# Altium PCB Proyecto_0.PcbDoc (part 1 of 3) (continued)
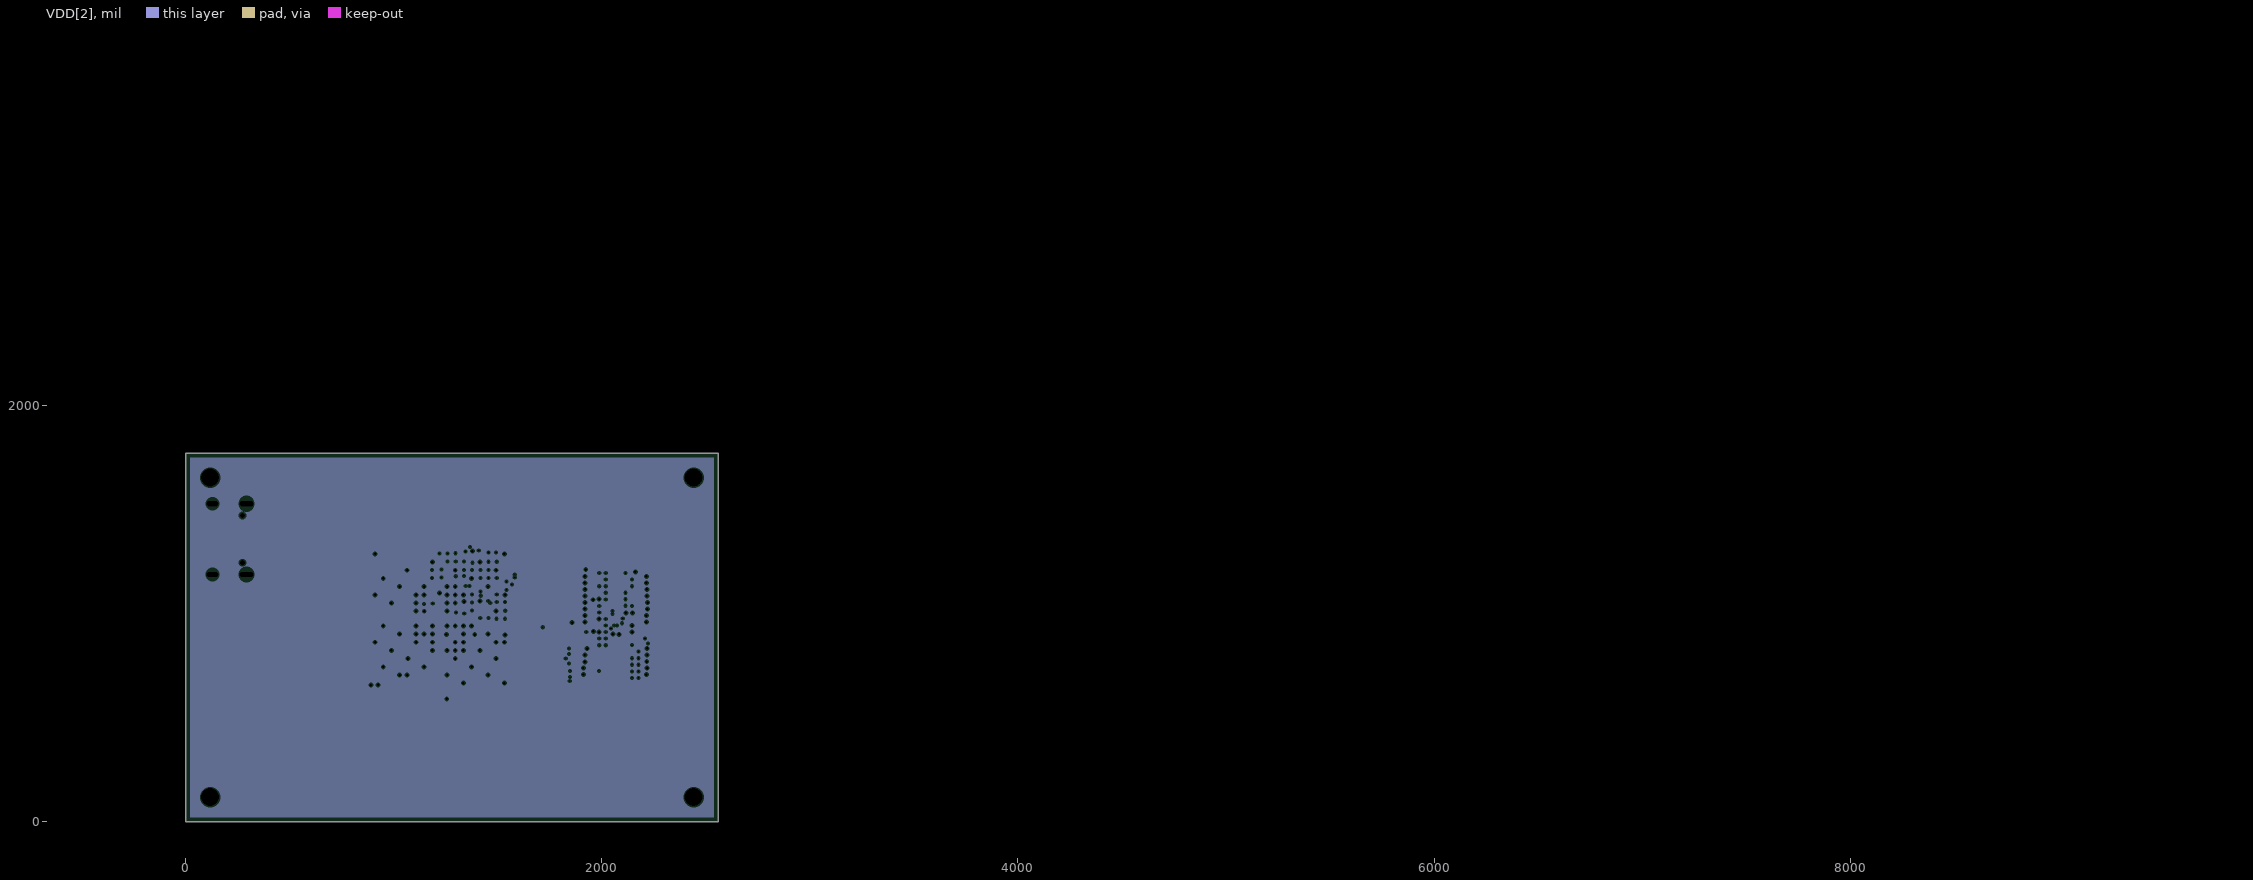
[diagram p6: VDD[2], clearances drawn from the general rule]
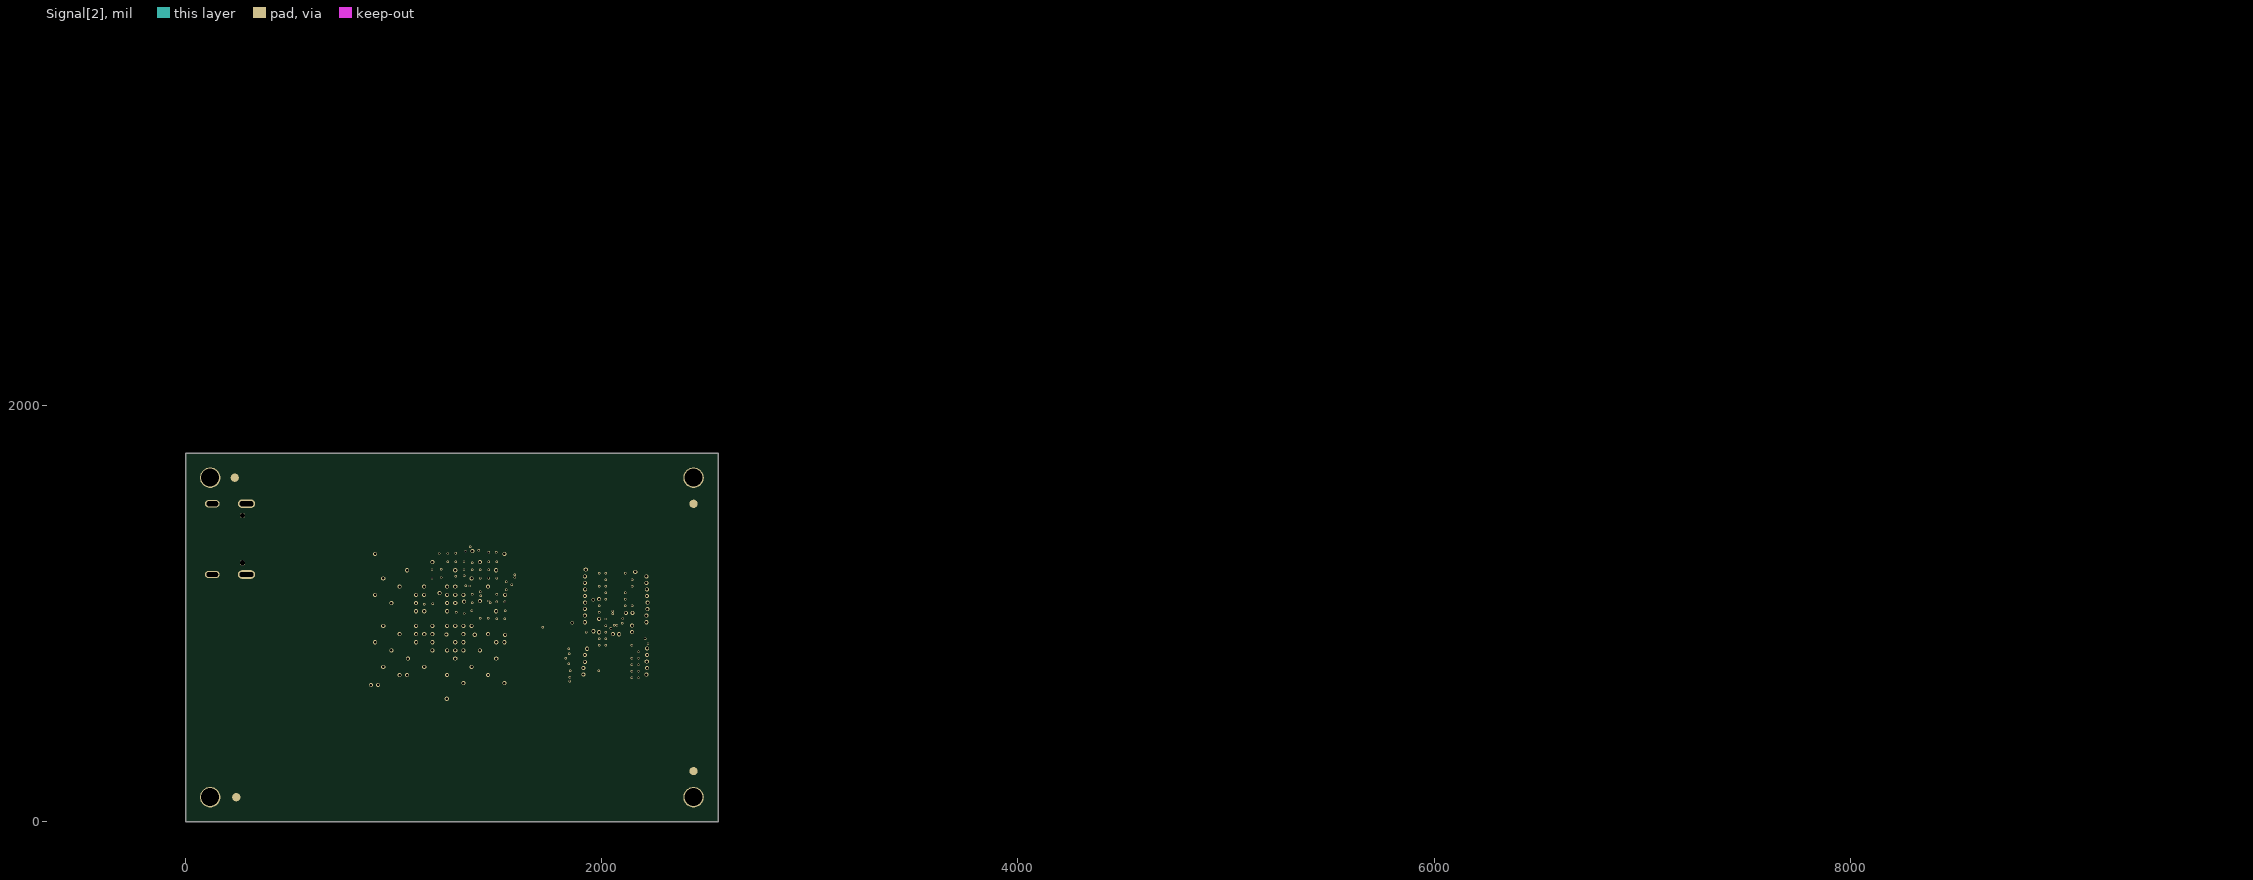
[diagram p7: Signal[2]]
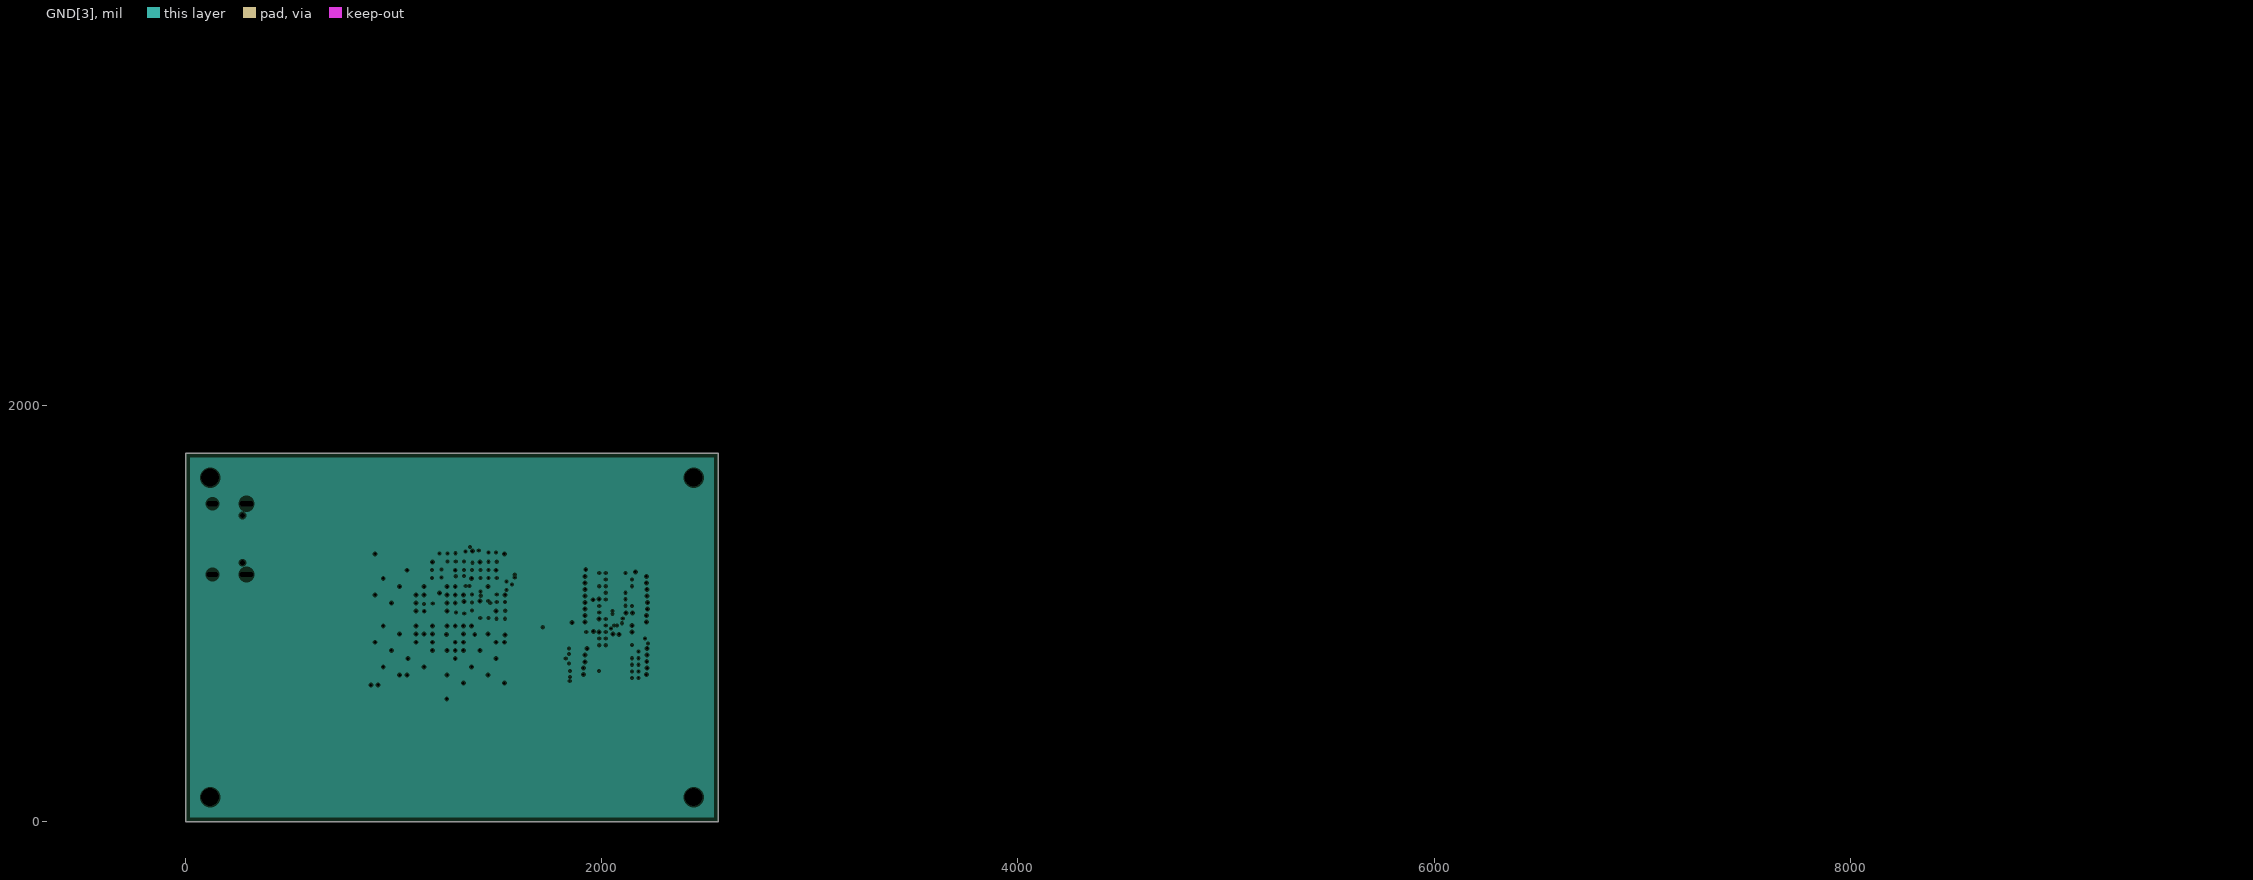
[diagram p8: GND[3], clearances drawn from the general rule]
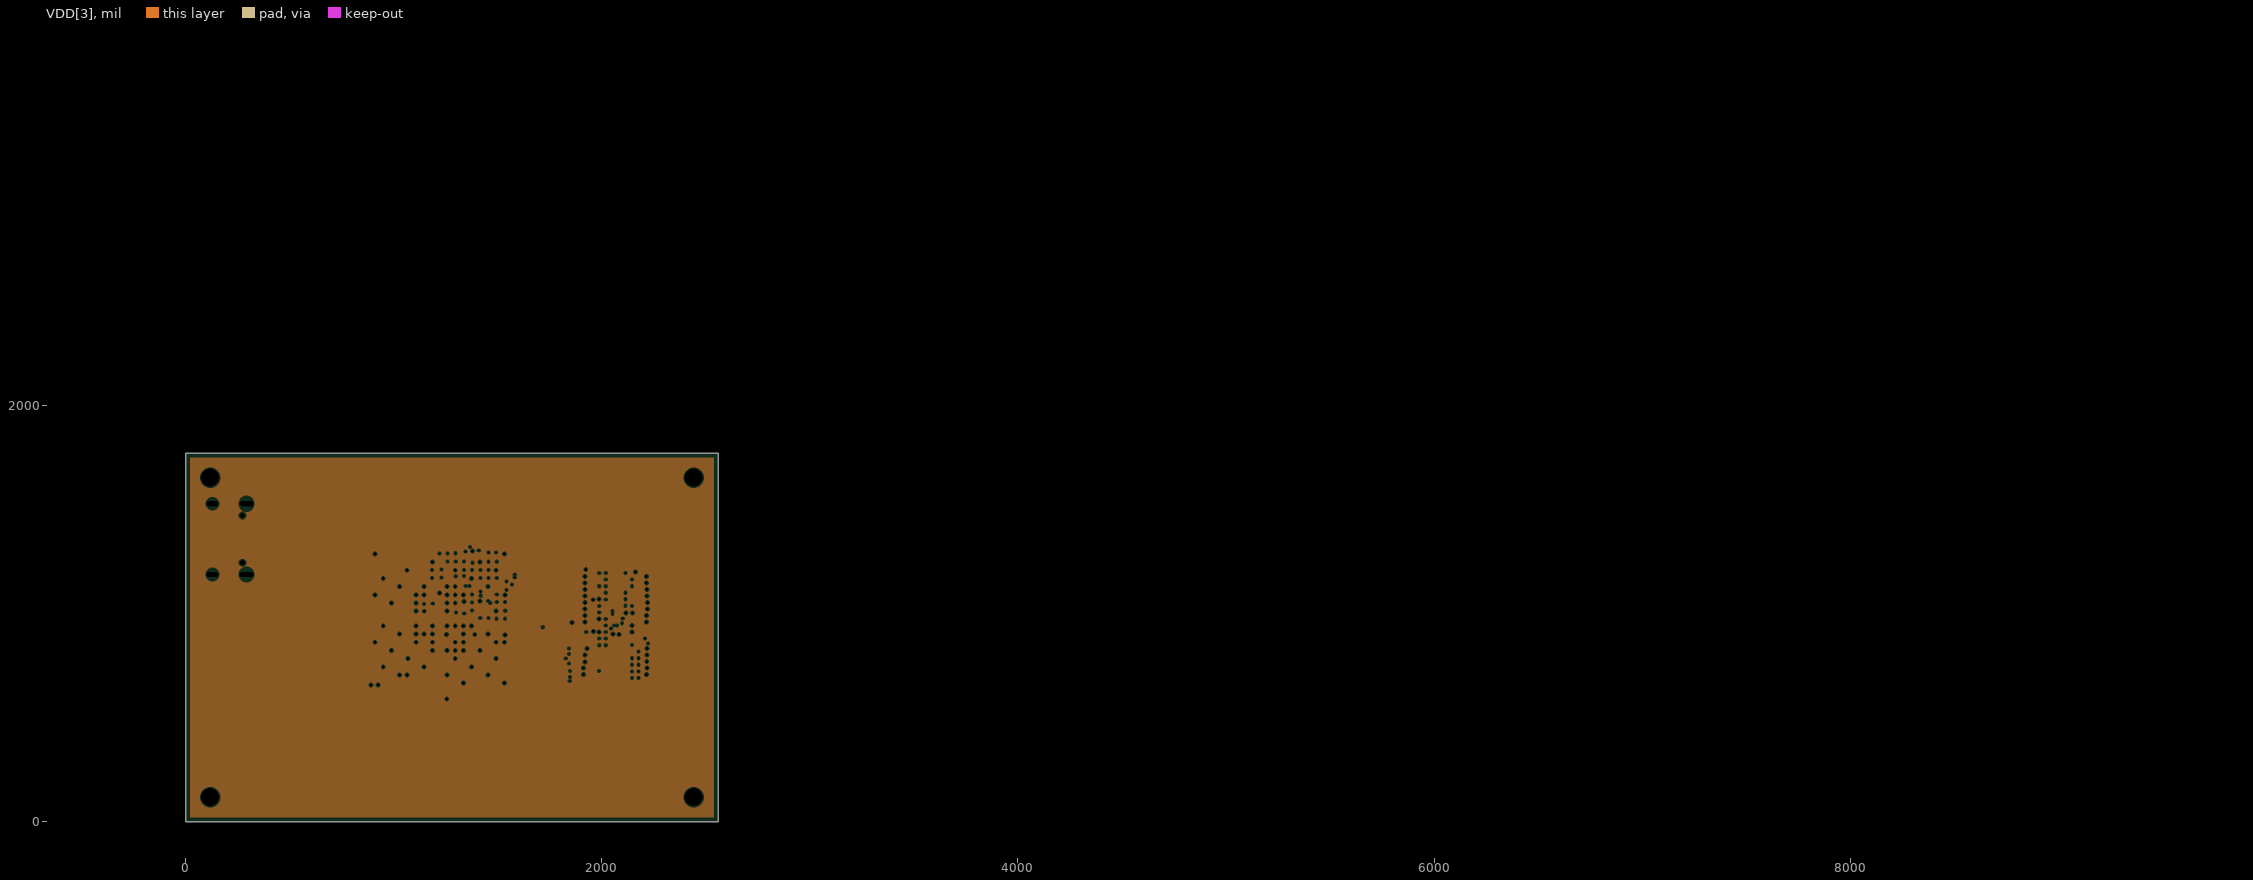
[diagram p9: VDD[3], clearances drawn from the general rule]

## Layer stack, top to bottom
Top Solder: solder mask 0.4, Solder Resist, Dk 3.5
TOP: signal copper 0.689
Dielectric 2: prepreg 4.055, PP-015, Dk 4.45
GND[1]: plane copper 1.378
Dielectric 3: core 9.055, PP-006, Dk 4.6
VDD[1]: plane copper 1.378
Dielectric 4: prepreg 7.717, PP-023, Dk 4.74
Signal[1]: signal copper 1.378
Dielectric 5: core 9.055, PP-006, Dk 4.6
GND[2]: plane copper 1.378
Dielectric 1: prepreg 7.717, PP-023, Dk 4.74
VDD[2]: plane copper 1.378
Dielectric 6: core 9.055, PP-006, Dk 4.6
Signal[2]: signal copper 1.378
Dielectric 7: prepreg 7.717, PP-023, Dk 4.74
GND[3]: plane copper 1.378
Dielectric 8: core 9.055, PP-006, Dk 4.6
VDD[3]: plane copper 1.378
Dielectric 9: prepreg 4.055, PP-015, Dk 4.45
Bottom Layer: signal copper 0.689
Bottom Solder: solder mask 0.4, Solder Resist, Dk 3.5

## Board outline
0,1614.17 0,1771.65 2559.06,1771.65 2559.06,0 0,0

## Design rules (kind name [scope] priority, off if disabled: settings)
Clearance "Schematic Clearance Constraint_28" [InNet('D\D\R\_\R\E\S\E\T\')] p1: gap=5 ignorepadtopadclearanceinfootprint=TRUE
Clearance "Schematic Clearance Constraint_27" [InNet('ODT')] p2: gap=5 ignorepadtopadclearanceinfootprint=TRUE
Clearance "Schematic Clearance Constraint_13" [InNetClass('DDR_ADD/CMD')] p3: gap=1 ignorepadtopadclearanceinfootprint=FALSE
Clearance "Schematic Clearance Constraint_4" [InNet('C\S\')] p4: gap=5 ignorepadtopadclearanceinfootprint=TRUE
DiffPairsRouting "Schematic Differential Pairs Routing_2" [InNet('ADC_IN_N')] p1: maxlimit=10 minlimit=7 mostfreqgap=10 toplayer_maxgap=7 toplayer_prefgap=7 toplayer_minwidth=6 toplayer_maxwidth=6 toplayer_prefwidth=6 bottomlayer_maxgap=7 bottomlayer_prefgap=7 bottomlayer_minwidth=6 bottomlayer_maxwidth=6 bottomlayer_prefwidth=6 impedanceprofiledriven=TRUE impedanceprofileid={E70E592B-6717-4881-90EF-383EF7D50643} impedanceprofilevalue=100.000000 maxuncoupledlength=500
DiffPairsRouting "Schematic Differential Pairs Routing_1" [InNet('ADC_IN_P')] p2: maxlimit=10 minlimit=7 mostfreqgap=10 toplayer_maxgap=7 toplayer_prefgap=7 toplayer_minwidth=6 toplayer_maxwidth=6 toplayer_prefwidth=6 bottomlayer_maxgap=7 bottomlayer_prefgap=7 bottomlayer_minwidth=6 bottomlayer_maxwidth=6 bottomlayer_prefwidth=6 impedanceprofiledriven=TRUE impedanceprofileid={E70E592B-6717-4881-90EF-383EF7D50643} impedanceprofilevalue=100.000000 maxuncoupledlength=500
DiffPairsRouting "Schematic Differential Pairs Routing_62" [InNet('USB_DATA_P')] p3: maxlimit=10 minlimit=7 mostfreqgap=10 toplayer_maxgap=7 toplayer_prefgap=7 toplayer_minwidth=7 toplayer_maxwidth=7 toplayer_prefwidth=7 bottomlayer_maxgap=7 bottomlayer_prefgap=7 bottomlayer_minwidth=7 bottomlayer_maxwidth=7 bottomlayer_prefwidth=7 impedanceprofiledriven=TRUE impedanceprofileid={FE4D8C82-CC1B-473A-AE15-ED9870852D9E} impedanceprofilevalue=90.000000 maxuncoupledlength=500
DiffPairsRouting "Schematic Differential Pairs Routing_61" [InNet('IN_Filter_ADC_P')] p4: maxlimit=10 minlimit=7 mostfreqgap=10 toplayer_maxgap=7 toplayer_prefgap=7 toplayer_minwidth=6 toplayer_maxwidth=6 toplayer_prefwidth=6 bottomlayer_maxgap=7 bottomlayer_prefgap=7 bottomlayer_minwidth=6 bottomlayer_maxwidth=6 bottomlayer_prefwidth=6 impedanceprofiledriven=TRUE impedanceprofileid={E70E592B-6717-4881-90EF-383EF7D50643} impedanceprofilevalue=100.000000 maxuncoupledlength=500
DiffPairsRouting "Schematic Differential Pairs Routing_60" [InNet('IN_Filter_ADC_N')] p5: maxlimit=10 minlimit=7 mostfreqgap=10 toplayer_maxgap=7 toplayer_prefgap=7 toplayer_minwidth=6 toplayer_maxwidth=6 toplayer_prefwidth=6 bottomlayer_maxgap=7 bottomlayer_prefgap=7 bottomlayer_minwidth=6 bottomlayer_maxwidth=6 bottomlayer_prefwidth=6 impedanceprofiledriven=TRUE impedanceprofileid={E70E592B-6717-4881-90EF-383EF7D50643} impedanceprofilevalue=100.000000 maxuncoupledlength=500
DiffPairsRouting "Schematic Differential Pairs Routing_59" [InNet('USB_DATA_N')] p6: maxlimit=10 minlimit=7 mostfreqgap=10 toplayer_maxgap=7 toplayer_prefgap=7 toplayer_minwidth=7 toplayer_maxwidth=7 toplayer_prefwidth=7 bottomlayer_maxgap=7 bottomlayer_prefgap=7 bottomlayer_minwidth=7 bottomlayer_maxwidth=7 bottomlayer_prefwidth=7 impedanceprofiledriven=TRUE impedanceprofileid={FE4D8C82-CC1B-473A-AE15-ED9870852D9E} impedanceprofilevalue=90.000000 maxuncoupledlength=500
DiffPairsRouting "Schematic Differential Pairs Routing_58" [InNet('IN_Filter_ADC_P')] p7: maxlimit=10 minlimit=7 mostfreqgap=10 toplayer_maxgap=7 toplayer_prefgap=7 toplayer_minwidth=7 toplayer_maxwidth=7 toplayer_prefwidth=7 bottomlayer_maxgap=7 bottomlayer_prefgap=7 bottomlayer_minwidth=7 bottomlayer_maxwidth=7 bottomlayer_prefwidth=7 impedanceprofiledriven=TRUE impedanceprofileid={FE4D8C82-CC1B-473A-AE15-ED9870852D9E} impedanceprofilevalue=90.000000 maxuncoupledlength=500
DiffPairsRouting "Schematic Differential Pairs Routing_57" [InNet('IN_Filter_ADC_N')] p8: maxlimit=10 minlimit=7 mostfreqgap=10 toplayer_maxgap=7 toplayer_prefgap=7 toplayer_minwidth=7 toplayer_maxwidth=7 toplayer_prefwidth=7 bottomlayer_maxgap=7 bottomlayer_prefgap=7 bottomlayer_minwidth=7 bottomlayer_maxwidth=7 bottomlayer_prefwidth=7 impedanceprofiledriven=TRUE impedanceprofileid={FE4D8C82-CC1B-473A-AE15-ED9870852D9E} impedanceprofilevalue=90.000000 maxuncoupledlength=500
DiffPairsRouting "Schematic Differential Pairs Routing_55" [InNet('L12_P')] p9: maxlimit=10 minlimit=7 mostfreqgap=10 toplayer_maxgap=7 toplayer_prefgap=7 toplayer_minwidth=6 toplayer_maxwidth=6 toplayer_prefwidth=6 bottomlayer_maxgap=7 bottomlayer_prefgap=7 bottomlayer_minwidth=6 bottomlayer_maxwidth=6 bottomlayer_prefwidth=6 impedanceprofiledriven=TRUE impedanceprofileid={E70E592B-6717-4881-90EF-383EF7D50643} impedanceprofilevalue=100.000000 maxuncoupledlength=500
DiffPairsRouting "Schematic Differential Pairs Routing_54" [InNet('L22_P')] p10: maxlimit=10 minlimit=7 mostfreqgap=10 toplayer_maxgap=7 toplayer_prefgap=7 toplayer_minwidth=6 toplayer_maxwidth=6 toplayer_prefwidth=6 bottomlayer_maxgap=7 bottomlayer_prefgap=7 bottomlayer_minwidth=6 bottomlayer_maxwidth=6 bottomlayer_prefwidth=6 impedanceprofiledriven=TRUE impedanceprofileid={E70E592B-6717-4881-90EF-383EF7D50643} impedanceprofilevalue=100.000000 maxuncoupledlength=500
DiffPairsRouting "Schematic Differential Pairs Routing_53" [InNet('AD15_N')] p11: maxlimit=10 minlimit=7 mostfreqgap=10 toplayer_maxgap=7 toplayer_prefgap=7 toplayer_minwidth=6 toplayer_maxwidth=6 toplayer_prefwidth=6 bottomlayer_maxgap=7 bottomlayer_prefgap=7 bottomlayer_minwidth=6 bottomlayer_maxwidth=6 bottomlayer_prefwidth=6 impedanceprofiledriven=TRUE impedanceprofileid={E70E592B-6717-4881-90EF-383EF7D50643} impedanceprofilevalue=100.000000 maxuncoupledlength=500
DiffPairsRouting "Schematic Differential Pairs Routing_52" [InNet('AD15_P')] p12: maxlimit=10 minlimit=7 mostfreqgap=10 toplayer_maxgap=7 toplayer_prefgap=7 toplayer_minwidth=6 toplayer_maxwidth=6 toplayer_prefwidth=6 bottomlayer_maxgap=7 bottomlayer_prefgap=7 bottomlayer_minwidth=6 bottomlayer_maxwidth=6 bottomlayer_prefwidth=6 impedanceprofiledriven=TRUE impedanceprofileid={E70E592B-6717-4881-90EF-383EF7D50643} impedanceprofilevalue=100.000000 maxuncoupledlength=500
DiffPairsRouting "Schematic Differential Pairs Routing_51" [InNet('AD14_N')] p13: maxlimit=10 minlimit=7 mostfreqgap=10 toplayer_maxgap=7 toplayer_prefgap=7 toplayer_minwidth=6 toplayer_maxwidth=6 toplayer_prefwidth=6 bottomlayer_maxgap=7 bottomlayer_prefgap=7 bottomlayer_minwidth=6 bottomlayer_maxwidth=6 bottomlayer_prefwidth=6 impedanceprofiledriven=TRUE impedanceprofileid={E70E592B-6717-4881-90EF-383EF7D50643} impedanceprofilevalue=100.000000 maxuncoupledlength=500
DiffPairsRouting "Schematic Differential Pairs Routing_50" [InNet('AD14_P')] p14: maxlimit=10 minlimit=7 mostfreqgap=10 toplayer_maxgap=7 toplayer_prefgap=7 toplayer_minwidth=6 toplayer_maxwidth=6 toplayer_prefwidth=6 bottomlayer_maxgap=7 bottomlayer_prefgap=7 bottomlayer_minwidth=6 bottomlayer_maxwidth=6 bottomlayer_prefwidth=6 impedanceprofiledriven=TRUE impedanceprofileid={E70E592B-6717-4881-90EF-383EF7D50643} impedanceprofilevalue=100.000000 maxuncoupledlength=500
DiffPairsRouting "Schematic Differential Pairs Routing_49" [InNet('AD13_N')] p15: maxlimit=10 minlimit=7 mostfreqgap=10 toplayer_maxgap=7 toplayer_prefgap=7 toplayer_minwidth=6 toplayer_maxwidth=6 toplayer_prefwidth=6 bottomlayer_maxgap=7 bottomlayer_prefgap=7 bottomlayer_minwidth=6 bottomlayer_maxwidth=6 bottomlayer_prefwidth=6 impedanceprofiledriven=TRUE impedanceprofileid={E70E592B-6717-4881-90EF-383EF7D50643} impedanceprofilevalue=100.000000 maxuncoupledlength=500
DiffPairsRouting "Schematic Differential Pairs Routing_48" [InNet('AD13_P')] p16: maxlimit=10 minlimit=7 mostfreqgap=10 toplayer_maxgap=7 toplayer_prefgap=7 toplayer_minwidth=6 toplayer_maxwidth=6 toplayer_prefwidth=6 bottomlayer_maxgap=7 bottomlayer_prefgap=7 bottomlayer_minwidth=6 bottomlayer_maxwidth=6 bottomlayer_prefwidth=6 impedanceprofiledriven=TRUE impedanceprofileid={E70E592B-6717-4881-90EF-383EF7D50643} impedanceprofilevalue=100.000000 maxuncoupledlength=500
DiffPairsRouting "Schematic Differential Pairs Routing_47" [InNet('AD12_N')] p17: maxlimit=10 minlimit=7 mostfreqgap=10 toplayer_maxgap=7 toplayer_prefgap=7 toplayer_minwidth=6 toplayer_maxwidth=6 toplayer_prefwidth=6 bottomlayer_maxgap=7 bottomlayer_prefgap=7 bottomlayer_minwidth=6 bottomlayer_maxwidth=6 bottomlayer_prefwidth=6 impedanceprofiledriven=TRUE impedanceprofileid={E70E592B-6717-4881-90EF-383EF7D50643} impedanceprofilevalue=100.000000 maxuncoupledlength=500
DiffPairsRouting "Schematic Differential Pairs Routing_46" [InNet('AD12_P')] p18: maxlimit=10 minlimit=7 mostfreqgap=10 toplayer_maxgap=7 toplayer_prefgap=7 toplayer_minwidth=6 toplayer_maxwidth=6 toplayer_prefwidth=6 bottomlayer_maxgap=7 bottomlayer_prefgap=7 bottomlayer_minwidth=6 bottomlayer_maxwidth=6 bottomlayer_prefwidth=6 impedanceprofiledriven=TRUE impedanceprofileid={E70E592B-6717-4881-90EF-383EF7D50643} impedanceprofilevalue=100.000000 maxuncoupledlength=500
DiffPairsRouting "Schematic Differential Pairs Routing_45" [InNet('L15_P')] p19: maxlimit=10 minlimit=7 mostfreqgap=10 toplayer_maxgap=7 toplayer_prefgap=7 toplayer_minwidth=6 toplayer_maxwidth=6 toplayer_prefwidth=6 bottomlayer_maxgap=7 bottomlayer_prefgap=7 bottomlayer_minwidth=6 bottomlayer_maxwidth=6 bottomlayer_prefwidth=6 impedanceprofiledriven=TRUE impedanceprofileid={E70E592B-6717-4881-90EF-383EF7D50643} impedanceprofilevalue=100.000000 maxuncoupledlength=500
DiffPairsRouting "Schematic Differential Pairs Routing_44" [InNet('UDQS_N')] p20: maxlimit=10 minlimit=7 mostfreqgap=10 toplayer_maxgap=7 toplayer_prefgap=7 toplayer_minwidth=6 toplayer_maxwidth=6 toplayer_prefwidth=6 bottomlayer_maxgap=7 bottomlayer_prefgap=7 bottomlayer_minwidth=6 bottomlayer_maxwidth=6 bottomlayer_prefwidth=6 impedanceprofiledriven=TRUE impedanceprofileid={E70E592B-6717-4881-90EF-383EF7D50643} impedanceprofilevalue=100.000000 maxuncoupledlength=500
DiffPairsRouting "Schematic Differential Pairs Routing_43" [InNet('UDQS_P')] p21: maxlimit=10 minlimit=7 mostfreqgap=10 toplayer_maxgap=7 toplayer_prefgap=7 toplayer_minwidth=6 toplayer_maxwidth=6 toplayer_prefwidth=6 bottomlayer_maxgap=7 bottomlayer_prefgap=7 bottomlayer_minwidth=6 bottomlayer_maxwidth=6 bottomlayer_prefwidth=6 impedanceprofiledriven=TRUE impedanceprofileid={E70E592B-6717-4881-90EF-383EF7D50643} impedanceprofilevalue=100.000000 maxuncoupledlength=500
DiffPairsRouting "Schematic Differential Pairs Routing_42" [InNet('CK_P')] p22: maxlimit=10 minlimit=7 mostfreqgap=10 toplayer_maxgap=7 toplayer_prefgap=7 toplayer_minwidth=6 toplayer_maxwidth=6 toplayer_prefwidth=6 bottomlayer_maxgap=7 bottomlayer_prefgap=7 bottomlayer_minwidth=6 bottomlayer_maxwidth=6 bottomlayer_prefwidth=6 impedanceprofiledriven=TRUE impedanceprofileid={E70E592B-6717-4881-90EF-383EF7D50643} impedanceprofilevalue=100.000000 maxuncoupledlength=500
DiffPairsRouting "Schematic Differential Pairs Routing_41" [InNet('CK_N')] p23: maxlimit=10 minlimit=7 mostfreqgap=10 toplayer_maxgap=7 toplayer_prefgap=7 toplayer_minwidth=6 toplayer_maxwidth=6 toplayer_prefwidth=6 bottomlayer_maxgap=7 bottomlayer_prefgap=7 bottomlayer_minwidth=6 bottomlayer_maxwidth=6 bottomlayer_prefwidth=6 impedanceprofiledriven=TRUE impedanceprofileid={E70E592B-6717-4881-90EF-383EF7D50643} impedanceprofilevalue=100.000000 maxuncoupledlength=500
DiffPairsRouting "Schematic Differential Pairs Routing_40" [InNet('AD5_P')] p24: maxlimit=10 minlimit=7 mostfreqgap=10 toplayer_maxgap=7 toplayer_prefgap=7 toplayer_minwidth=6 toplayer_maxwidth=6 toplayer_prefwidth=6 bottomlayer_maxgap=7 bottomlayer_prefgap=7 bottomlayer_minwidth=6 bottomlayer_maxwidth=6 bottomlayer_prefwidth=6 impedanceprofiledriven=TRUE impedanceprofileid={E70E592B-6717-4881-90EF-383EF7D50643} impedanceprofilevalue=100.000000 maxuncoupledlength=500
DiffPairsRouting "Schematic Differential Pairs Routing_39" [InNet('L12_N')] p25: maxlimit=10 minlimit=7 mostfreqgap=10 toplayer_maxgap=7 toplayer_prefgap=7 toplayer_minwidth=6 toplayer_maxwidth=6 toplayer_prefwidth=6 bottomlayer_maxgap=7 bottomlayer_prefgap=7 bottomlayer_minwidth=6 bottomlayer_maxwidth=6 bottomlayer_prefwidth=6 impedanceprofiledriven=TRUE impedanceprofileid={E70E592B-6717-4881-90EF-383EF7D50643} impedanceprofilevalue=100.000000 maxuncoupledlength=500
DiffPairsRouting "Schematic Differential Pairs Routing_38" [InNet('L22_N')] p26: maxlimit=10 minlimit=7 mostfreqgap=10 toplayer_maxgap=7 toplayer_prefgap=7 toplayer_minwidth=6 toplayer_maxwidth=6 toplayer_prefwidth=6 bottomlayer_maxgap=7 bottomlayer_prefgap=7 bottomlayer_minwidth=6 bottomlayer_maxwidth=6 bottomlayer_prefwidth=6 impedanceprofiledriven=TRUE impedanceprofileid={E70E592B-6717-4881-90EF-383EF7D50643} impedanceprofilevalue=100.000000 maxuncoupledlength=500
DiffPairsRouting "Schematic Differential Pairs Routing_37" [InNet('AD5_N')] p27: maxlimit=10 minlimit=7 mostfreqgap=10 toplayer_maxgap=7 toplayer_prefgap=7 toplayer_minwidth=6 toplayer_maxwidth=6 toplayer_prefwidth=6 bottomlayer_maxgap=7 bottomlayer_prefgap=7 bottomlayer_minwidth=6 bottomlayer_maxwidth=6 bottomlayer_prefwidth=6 impedanceprofiledriven=TRUE impedanceprofileid={E70E592B-6717-4881-90EF-383EF7D50643} impedanceprofilevalue=100.000000 maxuncoupledlength=500
DiffPairsRouting "Schematic Differential Pairs Routing_36" [InNet('AD7_P')] p28: maxlimit=10 minlimit=7 mostfreqgap=10 toplayer_maxgap=7 toplayer_prefgap=7 toplayer_minwidth=6 toplayer_maxwidth=6 toplayer_prefwidth=6 bottomlayer_maxgap=7 bottomlayer_prefgap=7 bottomlayer_minwidth=6 bottomlayer_maxwidth=6 bottomlayer_prefwidth=6 impedanceprofiledriven=TRUE impedanceprofileid={E70E592B-6717-4881-90EF-383EF7D50643} impedanceprofilevalue=100.000000 maxuncoupledlength=500
DiffPairsRouting "Schematic Differential Pairs Routing_35" [InNet('L16_P')] p29: maxlimit=10 minlimit=7 mostfreqgap=10 toplayer_maxgap=7 toplayer_prefgap=7 toplayer_minwidth=6 toplayer_maxwidth=6 toplayer_prefwidth=6 bottomlayer_maxgap=7 bottomlayer_prefgap=7 bottomlayer_minwidth=6 bottomlayer_maxwidth=6 bottomlayer_prefwidth=6 impedanceprofiledriven=TRUE impedanceprofileid={E70E592B-6717-4881-90EF-383EF7D50643} impedanceprofilevalue=100.000000 maxuncoupledlength=500
DiffPairsRouting "Schematic Differential Pairs Routing_34" [InNet('L13_P')] p30: maxlimit=10 minlimit=7 mostfreqgap=10 toplayer_maxgap=7 toplayer_prefgap=7 toplayer_minwidth=6 toplayer_maxwidth=6 toplayer_prefwidth=6 bottomlayer_maxgap=7 bottomlayer_prefgap=7 bottomlayer_minwidth=6 bottomlayer_maxwidth=6 bottomlayer_prefwidth=6 impedanceprofiledriven=TRUE impedanceprofileid={E70E592B-6717-4881-90EF-383EF7D50643} impedanceprofilevalue=100.000000 maxuncoupledlength=500